# Altium PCB LED fix910 RD 2000278 (4F00224A_7P00494A).PcbDoc (part 3 of 3)
Units mm, origin at the board's own origin, x right, y up, seen from the top; angles counter-clockwise.
Board outline 400 x 428 mm, 2 copper layers (Top Layer, Bottom Layer); 462 components, 214 nets, 1551 pads, 0 vias.
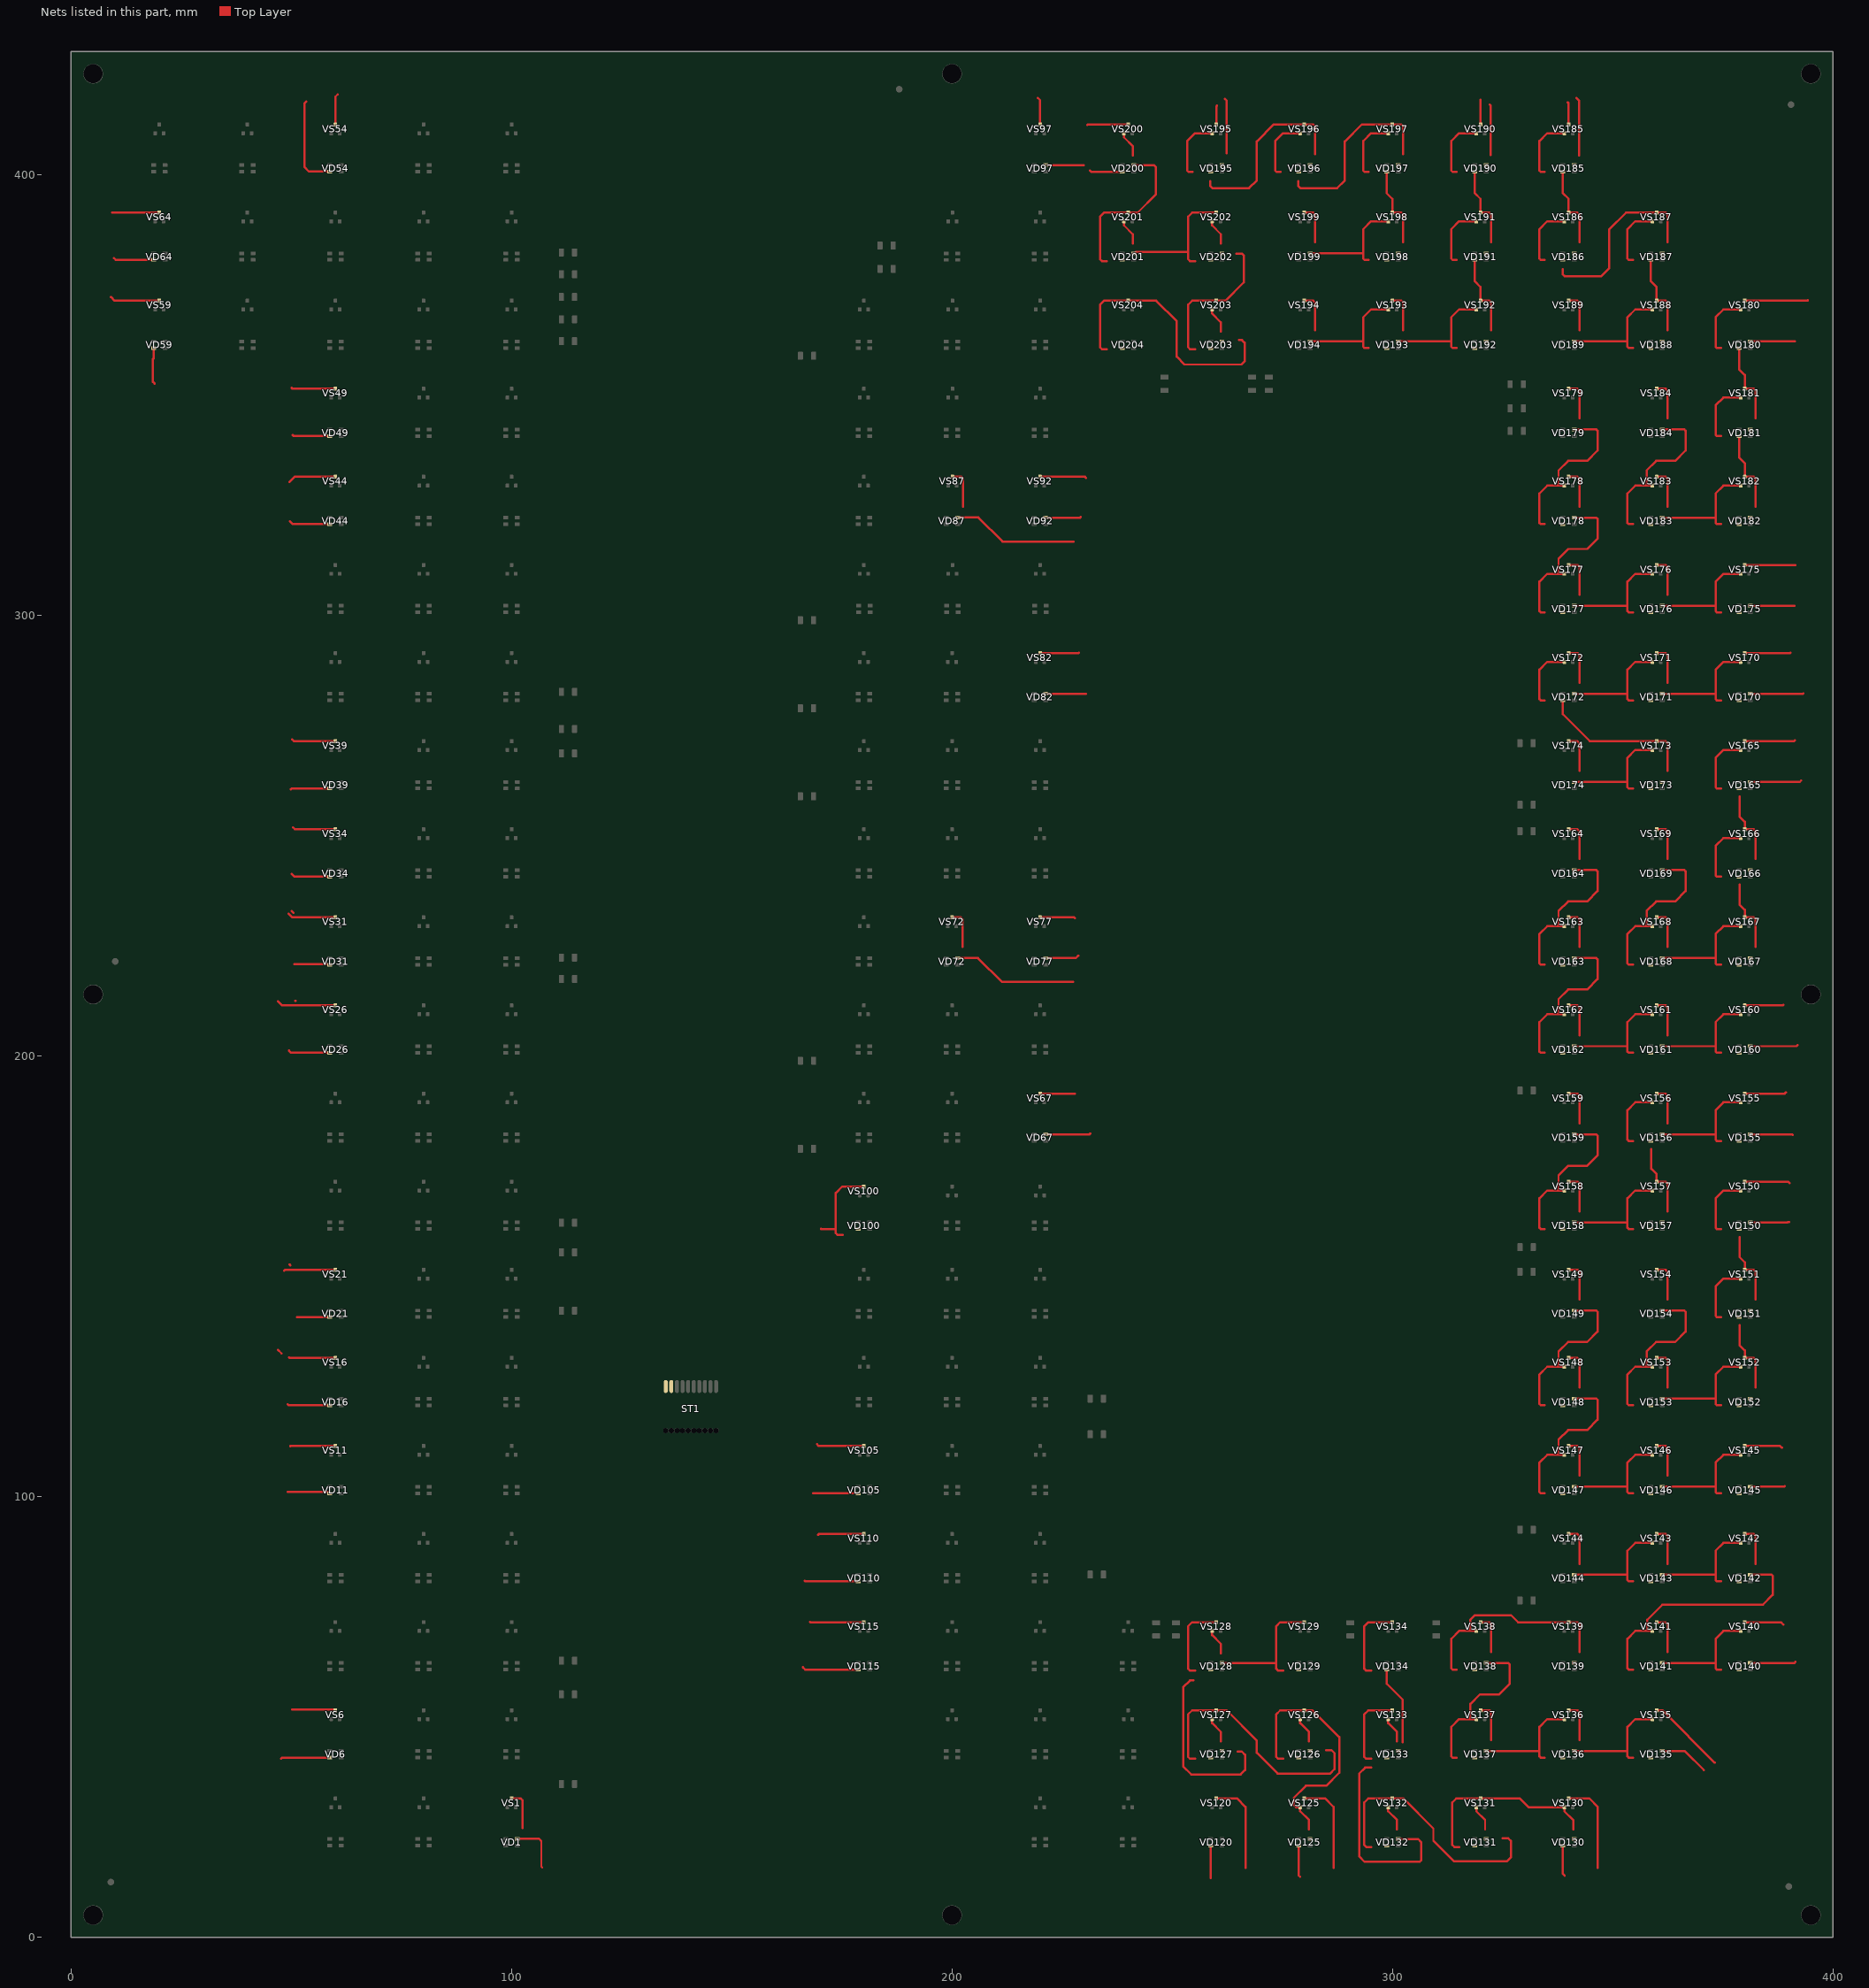
[diagram p3: the nets of this part, all layers, seen from the top]

## Nets (pads, with @x,y where several pads share a name; then routed paths per layer and width w, separated by ;. In a path a pad name is that pad's centre, name@x,y a point inside that pad or via, vN(x,y) a via of type N, cw(c..) or ccw(c..) an arc to the next point about the centre after c; other vN are vias at no path point) (continued)
NetVD125_1: VD125.1 VD126.2 VS125.1 VS126.3 | length 58.4
  Top Layer w0.5: 275.187,40.475 274.062,40.475 273.612,40.925 273.612,50.575 274.512,51.475 VS126.3@279.912,51.475 ; VS126.3@280,51.5 281.825,51.5 287.925,45.4 287.925,37.3 284.975,34.35 280.375,34.35 277.625,31.6 277.625,30 278.125,29.5 VS125.1@279.05,29.5 279.05,28.575 281.05,26.575 281.05,24.45
NetVD126_1: VD126.1 VD127.2 VS126.1 VS127.3 | length 64.7
  Top Layer w0.5: 255.187,40.475 254.062,40.475 253.612,40.925 253.612,50.575 254.512,51.475 259.912,51.475 262.363,51.475 269.213,44.625 269.213,41.875 273.938,37.15 285.888,37.15 286.863,38.125 286.863,41.75 286.188,42.425 284.938,42.425 ; VS126.1@279.05,49.5 279.05,48.575 281.05,46.575 281.05,44.45
NetVD127_1: VD127.1 VD128.2 VS127.1 VS128.3 | length 65.6
  Top Layer w0.5: 254.8,58.325 254.75,58.275 254.05,58.275 252.5,56.725 252.5,38.75 254.325,36.925 265.525,36.925 266.525,37.925 266.525,41.4 265.775,42.15 264.85,42.15 ; 255.187,60.475 254.062,60.475 253.612,60.925 253.612,70.575 254.512,71.475 VS128.3@259.912,71.475 ; VS127.1@259.05,49.5 259.05,48.575 261.05,46.575 261.05,44.45
NetVD128_1: VD128.1 VD129.2 VS128.1 VS129.3 | length 36.3
  Top Layer w0.5: VS128.1@259.05,69.5 259.05,68.575 261.05,66.575 261.05,64.45 ; VD128.1@261.3,62.25 273.587,62.25 273.612,62.275 ; 275.187,60.475 274.062,60.475 273.612,60.925 273.612,62.275 ; VS129.3@279.912,71.475 274.512,71.475 273.612,70.575 273.612,62.275
NetVD130_1: VD130.1 VD131.2 VS130.1 VS131.3 | length 43.8
  Top Layer w0.5: 315.187,20.475 314.062,20.475 313.612,20.925 313.612,30.575 314.512,31.475 VS131.3@319.912,31.475 ; VS131.3@320,31.5 328.9,31.5 330.9,29.5 VS130.1@339.05,29.5 339.05,28.575 341.05,26.575 341.05,24.45
NetVD131_1: VD131.1 VD132.2 VS131.1 VS132.3 | length 64.7
  Top Layer w0.5: 295.187,20.475 294.062,20.475 293.612,20.925 293.612,30.575 294.512,31.475 VS132.3@299.912,31.475 ; VS132.3@300,31.5 302.45,31.5 309.3,24.65 309.3,21.9 314.025,17.175 325.975,17.175 326.95,18.15 326.95,21.775 326.275,22.45 325.025,22.45 ; VS131.1@319.05,29.5 319.05,28.575 321.05,26.575 321.05,24.45
NetVD132_1: VD132.1 VD133.2 VS132.1 VS133.3 | length 70.3
  Top Layer w0.5: 295.15,38.475 293.825,38.475 292.45,37.1 292.45,18.35 293.675,17.125 306.232,17.125 306.525,17.418 306.525,21.575 305.85,22.25 VD132.1@301.3,22.25 ; 295.187,40.475 294.062,40.475 293.612,40.925 293.612,50.575 294.512,51.475 VS133.3@299.912,51.475 ; VS132.1@299.05,29.5 299.05,28.575 301.05,26.575 301.05,24.45
NetVD133_1: VD133.1 VD134.2 VS133.1 VS134.3 | length 42
  Top Layer w0.5: 295.187,60.475 294.062,60.475 293.612,60.925 293.612,70.575 294.512,71.475 VS134.3@299.912,71.475 ; VD134.2@298.7,60.75 298.7,57.525 302.325,53.9 302.325,44.225 ; VS133.1@299.05,49.5 299.05,48.575 301.05,46.575 301.05,44.45
NetVD135_1: VD135.1 VD136.2 VS135.1 VS136.3 | length 35.2
  Top Layer w0.5: VS136.3@340,51.5 342.025,51.5 342.45,51.075 342.45,44.75 ; VD136.2@341.3,42.25 353.125,42.25 ; 354.6,40.75 353.668,40.75 353.375,41.043 353.375,42.5 353.375,47.725 355.15,49.5 VS135.1@359.05,49.5
NetVD136_1: VD136.1 VD137.2 VS136.1 VS137.3 | length 35.5
  Top Layer w0.5: VS137.3@320,51.5 322.025,51.5 322.45,51.075 322.45,44.75 ; VD137.2@321.3,42.25 333.3,42.25 333.375,42.325 ; 334.6,40.75 333.668,40.75 333.375,41.043 333.375,42.325 ; VS136.1@339.05,49.5 335.15,49.5 333.375,47.725 333.375,42.325
NetVD137_1: VD137.1 VD138.2 VS137.1 VS138.3 | length 47.4
  Top Layer w0.5: 314.6,40.75 313.668,40.75 313.375,41.043 313.375,47.725 315.15,49.5 317.72,49.5 ; VS137.1@319.05,49.5 317.72,49.5 ; VS138.3@320,71.5 322.025,71.5 322.45,71.075 322.45,64.75 ; VD138.2@321.3,62.25 326.282,62.25 326.575,61.957 326.575,57.475 324.225,55.125 319.9,55.125 317.72,52.945 317.72,49.5
NetVD138_1: VD138.1 VD139.2 VS138.1 VS139.3 | length 49.4
  Top Layer w0.5: 314.6,60.75 313.668,60.75 313.375,61.043 313.375,67.725 315.15,69.5 317.575,69.5 ; VS138.1@319.05,69.5 317.575,69.5 ; 342.45,64.75 342.45,71.075 342.025,71.5 VS139.3@340,71.5 328.525,71.5 326.925,73.1 318.775,73.1 317.65,71.975 317.65,69.575 317.575,69.5
NetVD140_1: VD140.1 VD141.2 VS140.1 VS141.3 | length 35.5
  Top Layer w0.5: VS141.3@360,71.5 362.025,71.5 362.45,71.075 362.45,64.75 ; VD141.2@361.3,62.25 373.375,62.25 ; 374.6,60.75 373.668,60.75 373.375,61.043 373.375,62.25 ; VS140.1@379.05,69.5 375.15,69.5 373.375,67.725 373.375,62.25
NetVD141_1: VD141.1 VD142.2 VS141.1 VS142.3 | length 66.2
  Top Layer w0.5: 354.6,60.75 353.668,60.75 353.375,61.043 353.375,67.725 355.15,69.5 357.85,69.5 ; VS141.1@359.05,69.5 357.85,69.5 ; VS142.3@380,91.5 382.025,91.5 382.45,91.075 382.45,84.75 ; VD142.2@381.3,82.25 386.1,82.25 386.35,82 386.35,77.7 384.125,75.475 361.3,75.475 357.85,72.025 357.85,69.5
NetVD142_1: VD142.1 VD143.2 VS142.1 VS143.3 | length 35.5
  Top Layer w0.5: VS143.3@360,91.5 362.025,91.5 362.45,91.075 362.45,84.75 ; VD143.2@361.3,82.25 373.375,82.25 ; 374.6,80.75 373.668,80.75 373.375,81.043 373.375,87.725 375.15,89.5 VS142.1@379.05,89.5
NetVD143_1: VD143.1 VD144.2 VS143.1 VS144.3 | length 35.5
  Top Layer w0.5: VS144.3@340,91.5 342.025,91.5 342.45,91.075 342.45,84.75 ; VD144.2@341.3,82.25 353.375,82.25 ; 354.6,80.75 353.668,80.75 353.375,81.043 353.375,87.725 355.15,89.5 VS143.1@359.05,89.5
NetVD145_1: VD145.1 VD146.2 VS145.1 VS146.3 | length 35.5
  Top Layer w0.5: VS146.3@360,111.5 362.025,111.5 362.45,111.075 362.45,104.75 ; VD146.2@361.3,102.25 373.375,102.25 ; 374.6,100.75 373.668,100.75 373.375,101.043 373.375,107.725 375.15,109.5 VS145.1@379.05,109.5
NetVD146_1: VD146.1 VD147.2 VS146.1 VS147.3 | length 35.5
  Top Layer w0.5: VS147.3@340,111.5 342.025,111.5 342.45,111.075 342.45,104.75 ; VD147.2@341.3,102.25 353.375,102.25 ; 354.6,100.75 353.668,100.75 353.375,101.043 353.375,107.725 355.15,109.5 VS146.1@359.05,109.5
NetVD147_1: VD147.1 VD148.2 VS147.1 VS148.3 | length 47.4
  Top Layer w0.5: 334.6,100.75 333.668,100.75 333.375,101.043 333.375,107.725 335.15,109.5 VS147.1@339.05,109.5 ; 337.72,109.5 337.72,112.945 339.9,115.125 344.225,115.125 346.575,117.475 346.575,121.957 346.282,122.25 VD148.2@341.3,122.25 ; VS148.3@340,131.5 342.025,131.5 342.45,131.075 342.45,124.75
NetVD148_1: VD148.1 VD149.2 VS148.1 VS149.3 | length 47.4
  Top Layer w0.5: 334.6,120.75 333.668,120.75 333.375,121.043 333.375,127.725 335.15,129.5 VS148.1@339.05,129.5 ; 337.72,129.5 337.72,132.945 339.9,135.125 344.225,135.125 346.575,137.475 346.575,141.957 346.282,142.25 VD149.2@341.3,142.25 ; VS149.3@340,151.5 342.025,151.5 342.45,151.075 342.45,144.75
NetVD150_1: VD150.1 VD151.2 VS150.1 VS151.3 | length 31.3
  Top Layer w0.5: 374.6,160.75 373.668,160.75 373.375,161.043 373.375,167.725 375.15,169.5 VS150.1@379.05,169.5 ; 378.8,158.95 378.8,154.4 380,153.2 VS151.3@380,151.5 382.025,151.5 382.45,151.075 382.45,144.75
NetVD151_1: VD151.1 VD152.2 VS151.1 VS152.3 | length 31.3
  Top Layer w0.5: 374.6,140.75 373.668,140.75 373.375,141.043 373.375,147.725 375.15,149.5 VS151.1@379.05,149.5 ; 378.8,138.95 378.8,134.4 380,133.2 VS152.3@380,131.5 382.025,131.5 382.45,131.075 382.45,124.75
NetVD152_1: VD152.1 VD153.2 VS152.1 VS153.3 | length 35.5
  Top Layer w0.5: VS153.3@360,131.5 362.025,131.5 362.45,131.075 362.45,124.75 ; VD153.2@361.3,122.25 373.375,122.25 ; 374.6,120.75 373.668,120.75 373.375,121.043 373.375,127.725 375.15,129.5 VS152.1@379.05,129.5
NetVD153_1: VD153.1 VD154.2 VS153.1 VS154.3 | length 47.4
  Top Layer w0.5: 354.6,120.75 353.668,120.75 353.375,121.043 353.375,127.725 355.15,129.5 VS153.1@359.05,129.5 ; 357.72,129.5 357.72,132.945 359.9,135.125 364.225,135.125 366.575,137.475 366.575,141.957 366.282,142.25 VD154.2@361.3,142.25 ; VS154.3@360,151.5 362.025,151.5 362.45,151.075 362.45,144.75
NetVD155_1: VD155.1 VD156.2 VS155.1 VS156.3 | length 35.5
  Top Layer w0.5: VS156.3@360,191.5 362.025,191.5 362.45,191.075 362.45,184.75 ; VD156.2@361.3,182.25 373.375,182.25 ; 374.6,180.75 373.668,180.75 373.375,181.043 373.375,187.725 375.15,189.5 VS155.1@379.05,189.5
NetVD156_1: VD156.1 VD157.2 VS156.1 VS157.3 | length 31.3
  Top Layer w0.5: 354.6,180.75 353.668,180.75 353.375,181.043 353.375,187.725 355.15,189.5 VS156.1@359.05,189.5 ; 358.8,178.95 358.8,174.4 360,173.2 VS157.3@360,171.5 362.025,171.5 362.45,171.075 362.45,164.75
NetVD157_1: VD157.1 VD158.2 VS157.1 VS158.3 | length 35.5
  Top Layer w0.5: VS158.3@340,171.5 342.025,171.5 342.45,171.075 342.45,164.75 ; VD158.2@341.3,162.25 353.375,162.25 ; 354.6,160.75 353.668,160.75 353.375,161.043 353.375,167.725 355.15,169.5 VS157.1@359.05,169.5
NetVD158_1: VD158.1 VD159.2 VS158.1 VS159.3 | length 47.4
  Top Layer w0.5: 334.6,160.75 333.668,160.75 333.375,161.043 333.375,167.725 335.15,169.5 VS158.1@339.05,169.5 ; 337.72,169.5 337.72,172.945 339.9,175.125 344.225,175.125 346.575,177.475 346.575,181.957 346.282,182.25 VD159.2@341.3,182.25 ; VS159.3@340,191.5 342.025,191.5 342.45,191.075 342.45,184.75
NetVD160_1: VD160.1 VD161.2 VS160.1 VS161.3 | length 35.5
  Top Layer w0.5: VS161.3@360,211.5 362.025,211.5 362.45,211.075 362.45,204.75 ; VD161.2@361.3,202.25 373.325,202.25 373.375,202.3 ; 374.6,200.75 373.668,200.75 373.375,201.043 373.375,202.3 ; VS160.1@379.05,209.5 375.15,209.5 373.375,207.725 373.375,202.3
NetVD161_1: VD161.1 VD162.2 VS161.1 VS162.3 | length 35.5
  Top Layer w0.5: VS162.3@340,211.5 342.025,211.5 342.45,211.075 342.45,204.75 ; VD162.2@341.3,202.25 353.375,202.25 ; 354.6,200.75 353.668,200.75 353.375,201.043 353.375,207.725 355.15,209.5 VS161.1@359.05,209.5
NetVD162_1: VD162.1 VD163.2 VS162.1 VS163.3 | length 47.4
  Top Layer w0.5: 334.6,200.75 333.668,200.75 333.375,201.043 333.375,207.725 335.15,209.5 VS162.1@339.05,209.5 ; 337.72,209.5 337.72,212.945 339.9,215.125 344.225,215.125 346.575,217.475 346.575,221.957 346.282,222.25 VD163.2@341.3,222.25 ; VS163.3@340,231.5 342.025,231.5 342.45,231.075 342.45,224.75
NetVD163_1: VD163.1 VD164.2 VS163.1 VS164.3 | length 47.4
  Top Layer w0.5: 334.6,220.75 333.668,220.75 333.375,221.043 333.375,227.725 335.15,229.5 VS163.1@339.05,229.5 ; 337.72,229.5 337.72,232.945 339.9,235.125 344.225,235.125 346.575,237.475 346.575,241.957 346.282,242.25 VD164.2@341.3,242.25 ; VS164.3@340,251.5 342.025,251.5 342.45,251.075 342.45,244.75
NetVD165_1: VD165.1 VD166.2 VS165.1 VS166.3 | length 31.3
  Top Layer w0.5: 374.6,260.75 373.668,260.75 373.375,261.043 373.375,267.725 375.15,269.5 VS165.1@379.05,269.5 ; 378.8,258.95 378.8,254.4 380,253.2 VS166.3@380,251.5 382.025,251.5 382.45,251.075 382.45,244.75
NetVD166_1: VD166.1 VD167.2 VS166.1 VS167.3 | length 31.3
  Top Layer w0.5: 374.6,240.75 373.668,240.75 373.375,241.043 373.375,247.725 375.15,249.5 VS166.1@379.05,249.5 ; 378.8,238.95 378.8,234.4 380,233.2 VS167.3@380,231.5 382.025,231.5 382.45,231.075 382.45,224.75
NetVD167_1: VD167.1 VD168.2 VS167.1 VS168.3 | length 35.5
  Top Layer w0.5: VS168.3@360,231.5 362.025,231.5 362.45,231.075 362.45,224.75 ; VD168.2@361.3,222.25 373.375,222.25 ; 374.6,220.75 373.668,220.75 373.375,221.043 373.375,227.725 375.15,229.5 VS167.1@379.05,229.5
NetVD168_1: VD168.1 VD169.2 VS168.1 VS169.3 | length 47.4
  Top Layer w0.5: 354.6,220.75 353.668,220.75 353.375,221.043 353.375,227.725 355.15,229.5 VS168.1@359.05,229.5 ; 357.72,229.5 357.72,232.945 359.9,235.125 364.225,235.125 366.575,237.475 366.575,241.957 366.282,242.25 VD169.2@361.3,242.25 ; VS169.3@360,251.5 362.025,251.5 362.45,251.075 362.45,244.75
NetVD170_1: VD170.1 VD171.2 VS170.1 VS171.3 | length 35.5
  Top Layer w0.5: VS171.3@360,291.5 362.025,291.5 362.45,291.075 362.45,284.75 ; VD171.2@361.3,282.25 373.375,282.25 ; 374.6,280.75 373.668,280.75 373.375,281.043 373.375,287.725 375.15,289.5 VS170.1@379.05,289.5
NetVD171_1: VD171.1 VD172.2 VS171.1 VS172.3 | length 35.5
  Top Layer w0.5: VS172.3@340,291.5 342.025,291.5 342.45,291.075 342.45,284.75 ; VD172.2@341.3,282.25 353.375,282.25 ; 354.6,280.75 353.668,280.75 353.375,281.043 353.375,287.725 355.15,289.5 VS171.1@359.05,289.5
NetVD172_1: VD172.1 VD173.2 VS172.1 VS173.3 | length 50.4
  Top Layer w0.5: 334.6,280.75 333.668,280.75 333.375,281.043 333.375,287.725 335.15,289.5 VS172.1@339.05,289.5 ; VD172.1@338.7,280.75 338.7,277.625 344.825,271.5 VS173.3@360,271.5 362.025,271.5 362.45,271.075 362.45,264.75
NetVD173_1: VD173.1 VD174.2 VS173.1 VS174.3 | length 35.5
  Top Layer w0.5: VS174.3@340,271.5 342.025,271.5 342.45,271.075 342.45,264.75 ; VD174.2@341.3,262.25 353.375,262.25 ; 354.6,260.75 353.668,260.75 353.375,261.043 353.375,267.725 355.15,269.5 VS173.1@359.05,269.5
NetVD175_1: VD175.1 VD176.2 VS175.1 VS176.3 | length 35.5
  Top Layer w0.5: VS176.3@360,311.5 362.025,311.5 362.45,311.075 362.45,304.75 ; VD176.2@361.3,302.25 373.375,302.25 ; 374.6,300.75 373.668,300.75 373.375,301.043 373.375,307.725 375.15,309.5 VS175.1@379.05,309.5
NetVD176_1: VD176.1 VD177.2 VS176.1 VS177.3 | length 35.5
  Top Layer w0.5: VS177.3@340,311.5 342.025,311.5 342.45,311.075 342.45,304.75 ; VD177.2@341.3,302.25 353.375,302.25 ; 354.6,300.75 353.668,300.75 353.375,301.043 353.375,307.725 355.15,309.5 VS176.1@359.05,309.5
NetVD177_1: VD177.1 VD178.2 VS177.1 VS178.3 | length 50
  Top Layer w0.5: 334.6,300.75 333.668,300.75 333.375,301.043 333.375,307.725 335.15,309.5 337.25,309.5 VS177.1@339.05,309.5 ; 337.72,309.5 337.72,312.945 339.9,315.125 344.225,315.125 346.575,317.475 346.575,321.957 346.282,322.25 VD178.2@341.3,322.25 343.85,322.25 343.875,322.225 ; VS178.3@340,331.5 342.025,331.5 342.45,331.075 342.45,324.75
NetVD178_1: VD178.1 VD179.2 VS178.1 VS179.3 | length 47.4
  Top Layer w0.5: 334.6,320.75 333.668,320.75 333.375,321.043 333.375,327.725 335.15,329.5 VS178.1@339.05,329.5 ; 337.72,329.5 337.72,332.945 339.9,335.125 344.225,335.125 346.575,337.475 346.575,341.957 346.282,342.25 VD179.2@341.3,342.25 ; VS179.3@340,351.5 342.025,351.5 342.45,351.075 342.45,344.75
NetVD180_1: VD180.1 VD181.2 VS180.1 VS181.3 | length 33.2
  Top Layer w0.5: 374.6,360.75 373.668,360.75 373.375,361.043 373.375,367.725 375.15,369.5 VS180.1@379.05,369.5 ; VD180.1@378.7,360.75 378.7,355.9 380,354.6 VS181.3@380,351.5 382.025,351.5 382.45,351.075 382.45,344.75
NetVD181_1: VD181.1 VD182.2 VS181.1 VS182.3 | length 33.2
  Top Layer w0.5: 374.6,340.75 373.668,340.75 373.375,341.043 373.375,347.725 375.15,349.5 VS181.1@379.05,349.5 ; VD181.1@378.7,340.75 378.7,335.9 380,334.6 VS182.3@380,331.5 382.025,331.5 382.45,331.075 382.45,324.75
NetVD182_1: VD182.1 VD183.2 VS182.1 VS183.3 | length 35.5
  Top Layer w0.5: VS183.3@360,331.5 362.025,331.5 362.45,331.075 362.45,324.75 ; VD183.2@361.3,322.25 373.25,322.25 373.375,322.375 ; 374.6,320.75 373.668,320.75 373.375,321.043 373.375,322.375 ; VS182.1@379.05,329.5 375.15,329.5 373.375,327.725 373.375,322.375
NetVD183_1: VD183.1 VD184.2 VS183.1 VS184.3 | length 47.4
  Top Layer w0.5: 354.6,320.75 353.668,320.75 353.375,321.043 353.375,327.725 355.15,329.5 VS183.1@359.05,329.5 ; 357.72,329.5 357.72,332.945 359.9,335.125 364.225,335.125 366.575,337.475 366.575,341.957 366.282,342.25 VD184.2@361.3,342.25 ; VS184.3@360,351.5 362.025,351.5 362.45,351.075 362.45,344.75
NetVD185_1: VD185.1 VD186.2 VS185.1 VS186.3 | length 33.2
  Top Layer w0.5: 334.6,400.75 333.668,400.75 333.375,401.043 333.375,407.725 335.15,409.5 VS185.1@339.05,409.5 ; VD185.1@338.7,400.75 338.7,395.9 340,394.6 VS186.3@340,391.5 342.025,391.5 342.45,391.075 342.45,384.75
NetVD186_1: VD186.1 VD187.2 VS186.1 VS187.3 | length 57.3
  Top Layer w0.5: 334.6,380.75 333.668,380.75 333.375,381.043 333.375,387.725 335.15,389.5 VS186.1@339.05,389.5 ; 338.7,378.65 338.65,378.6 338.65,377.5 339.1,377.05 347.45,377.05 349.2,378.8 349.2,387.625 353.075,391.5 VS187.3@360,391.5 362.025,391.5 362.45,391.075 362.45,384.75
NetVD187_1: VD187.1 VD188.2 VS187.1 VS188.3 | length 33.2
  Top Layer w0.5: 354.6,380.75 353.668,380.75 353.375,381.043 353.375,387.725 355.15,389.5 VS187.1@359.05,389.5 ; VD187.1@358.7,380.75 358.7,375.9 360,374.6 VS188.3@360,371.5 362.025,371.5 362.45,371.075 362.45,364.75
NetVD188_1: VD188.1 VD189.2 VS188.1 VS189.3 | length 35.5
  Top Layer w0.5: VS189.3@340,371.5 342.025,371.5 342.45,371.075 342.45,364.75 ; VD189.2@341.3,362.25 353.375,362.25 ; 354.6,360.75 353.668,360.75 353.375,361.043 353.375,367.725 355.15,369.5 VS188.1@359.05,369.5
NetVD190_1: VD190.1 VD191.2 VS190.1 VS191.3 | length 33.2
  Top Layer w0.5: 314.6,400.75 313.668,400.75 313.375,401.043 313.375,407.725 315.15,409.5 VS190.1@319.05,409.5 ; VD190.1@318.7,400.75 318.7,395.9 320,394.6 VS191.3@320,391.5 322.025,391.5 322.45,391.075 322.45,384.75
NetVD191_1: VD191.1 VD192.2 VS191.1 VS192.3 | length 33.2
  Top Layer w0.5: 314.6,380.75 313.668,380.75 313.375,381.043 313.375,387.725 315.15,389.5 VS191.1@319.05,389.5 ; VD191.1@318.7,380.75 318.7,375.9 320,374.6 VS192.3@320,371.5 322.025,371.5 322.45,371.075 322.45,364.75
NetVD192_1: VD192.1 VD193.2 VS192.1 VS193.3 | length 35.5
  Top Layer w0.5: VS193.3@300,371.5 302.025,371.5 302.45,371.075 302.45,364.75 ; VD193.2@301.3,362.25 313.375,362.25 ; 314.6,360.75 313.668,360.75 313.375,361.043 313.375,367.725 315.15,369.5 VS192.1@319.05,369.5
NetVD193_1: VD193.1 VD194.2 VS193.1 VS194.3 | length 35.5
  Top Layer w0.5: VS194.3@280,371.5 282.025,371.5 282.45,371.075 282.45,364.75 ; VD194.2@281.3,362.25 293.375,362.25 ; 294.6,360.75 293.668,360.75 293.375,361.043 293.375,367.725 295.15,369.5 VS193.1@299.05,369.5
NetVD195_1: VD195.1 VD196.2 VS195.1 VS196.3 | length 57.2
  Top Layer w0.5: 254.6,400.75 253.668,400.75 253.375,401.043 253.375,407.725 255.15,409.5 VS195.1@259.05,409.5 ; 258.65,398.6 258.65,397.5 259.1,397.05 267.45,397.05 269.2,398.8 269.2,407.625 273.075,411.5 VS196.3@280,411.5 282.025,411.5 282.45,411.075 282.45,404.75
NetVD196_1: VD196.1 VD197.2 VS196.1 VS197.3 | length 57.2
  Top Layer w0.5: 274.6,400.75 273.668,400.75 273.375,401.043 273.375,407.725 275.15,409.5 VS196.1@279.05,409.5 ; 278.65,398.6 278.65,397.5 279.1,397.05 287.45,397.05 289.2,398.8 289.2,407.625 293.075,411.5 VS197.3@300,411.5 302.025,411.5 302.45,411.075 302.45,404.75
NetVD197_1: VD197.1 VD198.2 VS197.1 VS198.3 | length 33.2
  Top Layer w0.5: 294.6,400.75 293.668,400.75 293.375,401.043 293.375,407.725 295.15,409.5 VS197.1@299.05,409.5 ; VD197.1@298.7,400.75 298.7,395.9 300,394.6 VS198.3@300,391.5 302.025,391.5 302.45,391.075 302.45,384.75
NetVD198_1: VD198.1 VD199.2 VS198.1 VS199.3 | length 35.5
  Top Layer w0.5: VS199.3@280,391.5 282.025,391.5 282.45,391.075 282.45,384.75 ; VD199.2@281.3,382.25 293.375,382.25 ; 294.6,380.75 293.668,380.75 293.375,381.043 293.375,387.725 295.15,389.5 VS198.1@299.05,389.5
NetVD200_1: VD200.1 VD201.2 VS200.1 VS201.3 | length 43.4
  Top Layer w0.5: 235.187,380.473 234.062,380.473 233.612,380.923 233.612,390.573 234.512,391.473 VS201.3@239.912,391.473 ; VS200.1@239.05,409.5 239.05,408.575 241.05,406.575 241.05,404.45 ; VS201.3@240,391.5 242.175,391.5 246.325,395.65 246.325,401.8 245.9,402.225 244.65,402.225 244.625,402.25 VD200.1@241.3,402.25
NetVD201_1: VD201.1 VD202.2 VS201.1 VS202.3 | length 36.4
  Top Layer w0.5: VS201.1@239.05,389.5 239.05,388.575 241.05,386.575 241.05,384.45 ; VD201.1@241.3,382.25 241.45,382.25 241.775,382.575 253.612,382.575 ; 255.187,380.473 254.062,380.473 253.612,380.923 253.612,382.575 ; VS202.3@259.912,391.473 254.512,391.473 253.612,390.573 253.612,382.575
NetVD202_1: VD202.1 VD203.2 VS202.1 VS203.3 | length 40
  Top Layer w0.5: 255.187,360.472 254.062,360.472 253.612,360.922 253.612,362.247 253.612,370.572 254.512,371.472 259.912,371.472 262.088,371.472 266.238,375.622 266.238,381.772 265.813,382.197 264.563,382.197 ; VS202.1@259.05,389.5 259.05,388.575 261.05,386.575 261.05,384.45
NetVD203_1: VD203.1 VD204.2 VS203.1 VS204.3 | length 67.2
  Top Layer w0.5: 235.187,360.472 234.062,360.472 233.612,360.922 233.612,370.572 234.512,371.472 VS204.3@239.912,371.472 ; VS204.3@240,371.5 246.35,371.5 251.025,366.825 251.025,358.775 252.8,357 265.725,357 266.45,357.725 266.45,361.925 265.85,362.525 265.175,362.525 ; VS203.1@259.05,369.5 259.05,368.575 261.05,366.575 261.05,364.45
ULED: ST1.1 ST1.2 VD1.2 VD6.2 VD11.2 VD16.2 VD21.2 VD26.2 VD31.2 VD34.2 VD39.2 VD44.2 VD49.2 VD54.2 VD59.2 VD64.2 VD67.2 VD72.2 VD77.2 VD82.2 VD87.2 VD92.2 VD97.2 VD100.2 VD105.2 VD110.2 VD115.2 VD120.2 VD125.2 VD130.2 VD135.2 VD140.2 VD145.2 VD150.2 VD155.2 VD160.2 VD165.2 VD170.2 VD175.2 VD180.2 VD185.2 VD190.2 VD195.2 VD200.2 VS1.3 VS6.3 VS11.3 VS16.3 VS21.3 VS26.3 VS31.3 VS34.3 VS39.3 VS44.3 VS49.3 VS54.3 VS59.3 VS64.3 VS67.3 VS72.3 VS77.3 VS82.3 VS87.3 VS92.3 VS97.3 VS100.3 VS105.3 VS110.3 VS115.3 VS120.3 VS125.3 VS130.3 VS135.3 VS140.3 VS145.3 VS150.3 VS155.3 VS160.3 VS165.3 VS170.3 VS175.3 VS180.3 VS185.3 VS190.3 VS195.3 VS200.3 | length 908.8
  Top Layer w0.5: 9.025,372.325 9.85,371.5 VS59.3@20,371.5 ; 9.275,391.525 9.3,391.5 VS64.3@20,391.5 ; 9.675,381.2 10.122,380.753 VD64.2@18.7,380.753 ; VD59.2@18.7,360.753 18.7,358.35 18.575,358.225 18.575,353.075 18.975,352.675 ; 46.925,133.325 47.75,132.5 ; 46.975,212.425 47.9,211.5 VS26.3@60,211.5 ; 47.65,40.525 47.875,40.75 VD6.2@58.7,40.75 ; 48.4,151.325 48.575,151.5 VS21.3@60,151.5 ; 49.15,101.05 58.25,101.05 58.55,100.75 VD11.2@58.7,100.75 ; 49.15,120.95 49.35,120.75 VD16.2@58.7,120.75 ; 49.325,232.375 50.2,231.5 VS31.3@60,231.5 ; 49.425,201.275 49.95,200.75 VD26.2@58.7,200.75 ; 49.45,131.575 49.525,131.5 VS16.3@60,131.5 ; 49.575,152.725 49.8,152.5 ; 49.6,330.375 50.725,331.5 VS44.3@60,331.5 ; 49.7,321.375 50.325,320.75 VD44.2@58.7,320.75 ; 49.725,111.425 49.8,111.5 VS11.3@60,111.5 ; 49.85,260.575 50.025,260.75 VD39.2@58.7,260.75 ; 50.025,232.975 50.5,232.5 ; 50.025,351.7 50.225,351.5 VS49.3@60,351.5 ; 50.1,241.35 50.7,240.75 VD34.2@58.7,240.75 ; 50.15,51.625 59.875,51.625 VS6.3@60,51.5 ; 50.2,271.875 50.575,271.5 VS39.3@60,271.5 ; 50.275,341.025 50.55,340.75 VD49.2@58.7,340.75 ; 50.375,251.9 50.775,251.5 VS34.3@60,251.5 ; 50.675,220.85 58.6,220.85 VD31.2@58.7,220.75 ; 50.9,212.575 50.975,212.5 ; 51.225,140.7 51.275,140.75 VD21.2@58.7,140.75 ; 53.425,416.725 52.95,416.25 52.95,401.85 53.975,400.825 58.627,400.825 VD54.2@58.7,400.753 ; VS54.3@60,411.5 60,417.8 60.5,418.3 ; VS1.3@100,31.5 102.025,31.5 102.45,31.075 102.45,24.75 ; VD1.2@101.3,22.25 101.4,22.35 106.225,22.35 106.75,21.825 106.75,16.025 106.95,15.825 ; 166.125,61.275 166.65,60.75 VD115.2@178.7,60.75 ; 166.525,80.925 166.7,80.75 VD110.2@178.7,80.75 ; 167.725,71.6 167.825,71.5 VS115.3@180,71.5 ; 168.45,100.8 168.5,100.75 VD105.2@178.7,100.75 ; 169.325,111.925 169.75,111.5 VS105.3@180,111.5 ; 169.6,91.325 169.775,91.5 VS110.3@180,91.5 ; 170.225,160.8 170.275,160.75 173.612,160.75 ; 175.187,159.375 174.062,159.375 173.612,159.825 173.612,160.75 ; VS100.3@179.912,170.375 175.05,170.375 173.612,168.937 173.612,160.75 ; VS72.3@200,231.5 202.025,231.5 202.45,231.075 202.45,224.75 ; VS87.3@200.1,331.5 202.126,331.5 202.551,331.075 202.551,324.75 ; VD72.2@201.3,222.25 201.325,222.275 205.9,222.275 211.35,216.825 227.475,216.825 ; VD87.2@201.426,322.275 206,322.275 211.451,316.825 227.576,316.825 ; 219.475,417.525 220,417 VS97.3@220,411.5 ; VS67.3@220,191.5 227.9,191.5 ; VS77.3@220,231.5 227.7,231.5 227.9,231.3 ; VS82.3@220,291.5 228.725,291.5 228.825,291.6 ; VS92.3@220,331.5 230.175,331.5 230.45,331.225 ; VD67.2@221.3,182.25 231.175,182.25 231.375,182.45 ; VD77.2@221.3,222.25 228.1,222.25 228.675,222.825 ; VD82.2@221.3,282.25 230.325,282.25 230.375,282.2 ; VD92.2@221.3,322.25 229.075,322.25 229.225,322.4 ; VD97.2@221.3,402.25 229.925,402.25 229.95,402.225 ; 230.725,411.375 230.85,411.5 VS200.3@240,411.5 ; 231.275,401.05 231.575,400.75 VD200.2@238.7,400.75 ; 258.7,13.4 VD120.2@258.7,20.75 ; VS120.3@260,31.5 264.7,31.5 266.65,29.55 266.65,15.7 ; VS195.3@260,411.5 260,415.6 260.175,415.775 ; 262,417.275 262.375,416.9 262.375,404.975 ; VD125.2@278.7,20.75 278.7,14.025 279.025,13.7 ; VS125.3@280,31.5 284.7,31.5 286.65,29.55 286.65,15.7 ; 319.975,417.075 320,417.05 VS190.3@320,411.5 ; 322.1,416.025 322.325,415.8 322.325,404.525 ; VD130.2@338.7,20.75 338.7,14.375 339.125,13.95 ; 339.8,416.525 340,416.325 VS185.3@340,411.5 ; VS130.3@340,31.5 344.7,31.5 346.65,29.55 346.65,15.7 ; 341.8,417.475 342.35,416.925 342.35,404.45 ; VS135.3@360,51.5 361.3,51.5 373.2,39.6 ; VD135.2@361.3,42.25 366.375,42.25 370.7,37.925 ; VS140.3@380,71.5 388.2,71.5 388.75,70.95 ; VS145.3@380,111.5 388.025,111.5 388.45,111.075 ; VS150.3@380,171.5 389.875,171.5 390.225,171.15 ; VS155.3@380,191.5 389.075,191.5 389.375,191.8 ; VS160.3@380,211.5 388.65,211.5 388.825,211.675 ; VS165.3@380,271.5 391.225,271.5 391.425,271.7 ; VS170.3@380,291.5 390.3,291.5 390.425,291.625 ; VS175.3@380,311.5 391.4,311.5 391.45,311.45 ; VS180.3@380,371.5 394.275,371.5 394.35,371.575 ; VD140.2@381.3,62.25 391.275,62.25 391.525,62.5 ; VD145.2@381.3,102.25 388.95,102.25 389.125,102.425 ; VD150.2@381.3,162.25 389.725,162.25 389.85,162.375 390.1,162.375 ; VD155.2@381.3,182.25 390.775,182.25 390.875,182.15 ; VD160.2@381.3,202.25 391.725,202.25 391.975,202.5 ; VD165.2@381.3,262.25 392.5,262.25 392.825,262.575 ; VD170.2@381.3,282.25 393.225,282.25 393.275,282.3 ; VD175.2@381.3,302.25 391.2,302.25 391.25,302.2 ; VD180.2@381.3,362.25 391.35,362.25 391.375,362.275
pads on no net: 2.1 3.1 4.1 5.1 6.1 7.1 8.1 9.1 ST1.3 ST1.7 ST1.11 ST1.12 ST1.13 ST1.14 ST1.15 ST1.16 ST1.17 ST1.18 ST1.19 ST1.20 VD1.3 VD1.4 VD2.3 VD2.4 VD3.3 VD3.4 VD4.3 VD4.4 VD5.3 VD5.4 VD6.3 VD6.4 VD7.3 VD7.4 VD8.3 VD8.4 VD9.3 VD9.4 VD10.3 VD10.4 VD11.3 VD11.4 VD12.3 VD12.4 VD13.3 VD13.4 VD14.3 VD14.4 VD15.3 VD15.4 VD16.3 VD16.4 VD17.3 VD17.4 VD18.3 VD18.4 VD19.3 VD19.4 VD20.3 VD20.4 VD21.3 VD21.4 VD22.3 VD22.4 VD23.3 VD23.4 VD24.3 VD24.4 VD25.3 VD25.4 VD26.3 VD26.4 VD27.3 VD27.4 VD28.3 VD28.4 VD29.3 VD29.4 VD30.3 VD30.4 VD31.3 VD31.4 VD32.3 VD32.4 VD33.3 VD33.4 VD34.3 VD34.4 VD35.3 VD35.4 VD36.3 VD36.4 VD37.3 VD37.4 VD38.3 VD38.4 VD39.3 VD39.4 VD40.3 VD40.4 VD41.3 VD41.4 VD42.3 VD42.4 VD43.3 VD43.4 VD44.3 VD44.4 VD45.3 VD45.4 VD46.3 VD46.4 VD47.3 VD47.4 VD48.3 VD48.4 VD49.3 VD49.4 VD50.3 VD50.4 VD51.3 VD51.4 VD52.3 VD52.4 VD53.3 VD53.4 VD54.3 VD54.4 VD55.3 VD55.4 VD56.3 VD56.4 VD57.3 VD57.4 VD58.3 VD58.4 VD59.3 VD59.4 VD60.3 VD60.4 VD61.3 VD61.4 VD62.3 VD62.4 VD63.3 VD63.4 VD64.3 VD64.4 VD65.3 VD65.4 VD66.3 VD66.4 VD67.3 VD67.4 VD68.3 VD68.4 VD69.3 VD69.4 VD70.3 VD70.4 VD71.3 VD71.4 VD72.3 VD72.4 VD73.3 VD73.4 VD74.3 VD74.4 VD75.3 VD75.4 VD76.3 VD76.4 VD77.3 VD77.4 VD78.3 VD78.4 VD79.3 VD79.4 VD80.3 VD80.4 VD81.3 VD81.4 VD82.3 VD82.4 VD83.3 VD83.4 VD84.3 VD84.4 VD85.3 VD85.4 VD86.3 VD86.4 VD87.3 VD87.4 VD88.3 VD88.4 VD89.3 VD89.4 VD90.3 VD90.4 VD91.3 VD91.4 VD92.3 VD92.4 VD93.3 VD93.4 VD94.3 VD94.4 VD95.3 VD95.4 VD96.3 VD96.4 VD97.3 VD97.4 VD98.3 VD98.4 VD99.3 VD99.4 VD100.3 VD100.4 VD101.3 VD101.4 VD102.3 VD102.4 VD103.3 VD103.4 VD104.3 VD104.4 VD105.3 VD105.4 VD106.3 VD106.4 VD107.3 VD107.4 VD108.3 VD108.4 VD109.3 VD109.4 VD110.3 VD110.4 VD111.3 VD111.4 VD112.3 VD112.4 VD113.3 VD113.4 VD114.3 VD114.4 VD115.3 VD115.4 VD116.3 VD116.4 VD117.3 VD117.4 VD118.3 VD118.4 VD119.3 VD119.4 VD120.3 VD120.4 VD121.3 VD121.4 VD122.3 VD122.4 VD123.3 VD123.4 VD124.3 VD124.4 VD125.3 VD125.4 VD126.3 VD126.4 VD127.3 VD127.4 VD128.3 VD128.4 VD129.3 VD129.4 VD130.3 VD130.4 VD131.3 VD131.4 VD132.3 VD132.4 VD133.3 VD133.4 VD134.3 VD134.4 VD135.3 VD135.4 VD136.3 VD136.4 VD137.3 VD137.4 VD138.3 VD138.4 VD139.3 VD139.4 VD140.3 VD140.4 VD141.3 VD141.4 VD142.3 VD142.4 VD143.3 VD143.4 VD144.3 VD144.4 VD145.3 VD145.4 VD146.3 VD146.4 VD147.3 VD147.4 VD148.3 VD148.4 VD149.3 VD149.4 VD150.3 VD150.4 VD151.3 VD151.4 VD152.3 VD152.4 VD153.3 VD153.4 VD154.3 VD154.4 VD155.3 VD155.4 VD156.3 VD156.4 VD157.3 VD157.4 VD158.3 VD158.4 VD159.3 VD159.4 VD160.3 VD160.4 VD161.3 VD161.4 VD162.3 VD162.4 VD163.3 VD163.4 VD164.3 VD164.4 VD165.3 VD165.4 VD166.3 VD166.4 VD167.3 VD167.4 VD168.3 VD168.4 VD169.3 VD169.4 VD170.3 VD170.4 VD171.3 VD171.4 VD172.3 VD172.4 VD173.3 VD173.4 VD174.3 VD174.4 VD175.3 VD175.4 VD176.3 VD176.4 VD177.3 VD177.4 VD178.3 VD178.4 VD179.3 VD179.4 VD180.3 VD180.4 VD181.3 VD181.4 VD182.3 VD182.4 VD183.3 VD183.4 VD184.3 VD184.4 VD185.3 VD185.4 VD186.3 VD186.4 VD187.3 VD187.4 VD188.3 VD188.4 VD189.3 VD189.4 VD190.3 VD190.4 VD191.3 VD191.4 VD192.3 VD192.4 VD193.3 VD193.4 VD194.3 VD194.4 VD195.3 VD195.4 VD196.3 VD196.4 VD197.3 VD197.4 VD198.3 VD198.4 VD199.3 VD199.4 VD200.3 VD200.4 VD201.3 VD201.4 VD202.3 VD202.4 VD203.3 VD203.4 VD204.3 VD204.4 VS1.2 VS2.2 VS3.2 VS4.2 VS5.2 VS6.2 VS7.2 VS8.2 VS9.2 VS10.2 VS11.2 VS12.2 VS13.2 VS14.2 VS15.2 VS16.2 VS17.2 VS18.2 VS19.2 VS20.2 VS21.2 VS22.2 VS23.2 VS24.2 VS25.2 VS26.2 VS27.2 VS28.2 VS29.2 VS30.2 VS31.2 VS32.2 VS33.2 VS34.2 VS35.2 VS36.2 VS37.2 VS38.2 VS39.2 VS40.2 VS41.2 VS42.2 VS43.2 VS44.2 VS45.2 VS46.2 VS47.2 VS48.2 VS49.2 VS50.2 VS51.2 VS52.2 VS53.2 VS54.2 VS55.2 VS56.2 VS57.2 VS58.2 VS59.2 VS60.2 VS61.2 VS62.2 VS63.2 VS64.2 VS65.2 VS66.2 VS67.2 VS68.2 VS69.2 VS70.2 VS71.2 VS72.2 VS73.2 VS74.2 VS75.2 VS76.2 VS77.2 VS78.2 VS79.2 VS80.2 VS81.2 VS82.2 VS83.2 VS84.2 VS85.2 VS86.2 VS87.2 VS88.2 VS89.2 VS90.2 VS91.2 VS92.2 VS93.2 VS94.2 VS95.2 VS96.2 VS97.2 VS98.2 VS99.2 VS100.2 VS101.2 VS102.2 VS103.2 VS104.2 VS105.2 VS106.2 VS107.2 VS108.2 VS109.2 VS110.2 VS111.2 VS112.2 VS113.2 VS114.2 VS115.2 VS116.2 VS117.2 VS118.2 VS119.2 VS120.2 VS121.2 VS122.2 VS123.2 VS124.2 VS125.2 VS126.2 VS127.2 VS128.2 VS129.2 VS130.2 VS131.2 VS132.2 VS133.2 VS134.2 VS135.2 VS136.2 VS137.2 VS138.2 VS139.2 VS140.2 VS141.2 VS142.2 VS143.2 VS144.2 VS145.2 VS146.2 VS147.2 VS148.2 VS149.2 VS150.2 VS151.2 VS152.2 VS153.2 VS154.2 VS155.2 VS156.2 VS157.2 VS158.2 VS159.2 VS160.2 VS161.2 VS162.2 VS163.2 VS164.2 VS165.2 VS166.2 VS167.2 VS168.2 VS169.2 VS170.2 VS171.2 VS172.2 VS173.2 VS174.2 VS175.2 VS176.2 VS177.2 VS178.2 VS179.2 VS180.2 VS181.2 VS182.2 VS183.2 VS184.2 VS185.2 VS186.2 VS187.2 VS188.2 VS189.2 VS190.2 VS191.2 VS192.2 VS193.2 VS194.2 VS195.2 VS196.2 VS197.2 VS198.2 VS199.2 VS200.2 VS201.2 VS202.2 VS203.2 VS204.2
copper on no net: | length 136.9
  Top Layer w0.05: 138.613,104.782 ccw(c138.588,104.782) 138.613,104.782
  Top Layer w0.1: 135.295,105.805 135.829,105.805 ; 135.311,105.731 135.841,105.731 ; 135.328,105.656 135.853,105.656 ; 135.344,105.581 135.865,105.581 ; 135.361,105.507 135.876,105.507 ; 135.377,105.432 135.888,105.432 ; 135.393,105.357 135.9,105.357 ; 135.41,105.283 135.912,105.283 ; 135.426,105.208 135.923,105.208 ; 135.443,105.133 135.935,105.133 ; 135.459,105.059 135.947,105.059 ; 135.476,104.984 135.959,104.984 ; 135.492,104.909 135.971,104.909 ; 135.508,104.835 135.982,104.835 ; 135.525,104.76 135.994,104.76 ; 135.541,104.685 136.006,104.685 ; 135.558,104.611 136.018,104.611 ; 135.574,104.536 136.029,104.536 ; 135.59,104.461 136.041,104.461 ; 135.607,104.387 136.084,104.387 ; 135.623,104.312 136.494,104.312 ; 135.64,104.237 136.483,104.237 ; 135.656,104.163 136.472,104.163 ; 135.673,104.088 136.462,104.088 ; 135.689,104.013 136.451,104.013 ; 135.705,103.938 136.44,103.938 ; 135.722,103.864 136.429,103.864 ; 135.738,103.789 136.418,103.789 ; 135.755,103.714 136.408,103.714 ; 135.771,103.64 136.397,103.64 ; 135.787,103.565 136.386,103.565 ; 135.804,103.49 136.375,103.49 ; 136.105,104.387 136.505,104.387 ; 136.151,104.461 136.516,104.461 ; 136.163,104.536 136.526,104.536 ; 136.175,104.611 136.537,104.611 ; 136.187,104.685 136.548,104.685 ; 136.199,104.76 136.56,104.76 ; 136.21,104.835 137.004,104.835 ; 136.222,104.909 136.993,104.909 ; 136.234,104.984 136.981,104.984 ; 136.246,105.059 136.97,105.059 ; 136.258,105.133 136.958,105.133 ; 136.27,105.208 136.947,105.208 ; 136.281,105.283 136.936,105.283 ; 136.293,105.357 136.924,105.357 ; 136.305,105.432 136.913,105.432 ; 136.317,105.507 136.901,105.507 ; 136.329,105.581 136.89,105.581 ; 136.341,105.656 136.878,105.656 ; 136.353,105.731 136.867,105.731 ; 136.364,105.805 136.856,105.805 ; 136.652,104.76 137.015,104.76 ; 136.666,104.685 137.027,104.685 ; 136.677,104.611 137.038,104.611 ; 136.688,104.536 137.05,104.536 ; 136.699,104.461 137.061,104.461 ; 136.709,104.387 137.081,104.387 ; 136.72,104.312 137.589,104.312 ; 136.731,104.237 137.573,104.237 ; 136.742,104.163 137.556,104.163 ; 136.753,104.088 137.539,104.088 ; 136.763,104.013 137.523,104.013 ; 136.774,103.938 137.506,103.938 ; 136.785,103.864 137.489,103.864 ; 136.796,103.789 137.473,103.789 ; 136.807,103.714 137.456,103.714 ; 136.817,103.64 137.439,103.64 ; 136.828,103.565 137.423,103.565 ; 136.839,103.49 137.406,103.49 ; 137.154,104.387 137.606,104.387 ; 137.176,104.461 137.623,104.461 ; 137.188,104.536 137.639,104.536 ; 137.2,104.611 137.656,104.611 ; 137.212,104.685 137.673,104.685 ; 137.224,104.76 137.689,104.76 ; 137.236,104.835 137.706,104.835 ; 137.248,104.909 137.723,104.909 ; 137.26,104.984 137.739,104.984 ; 137.272,105.059 137.756,105.059 ; 137.284,105.133 137.773,105.133 ; 137.296,105.208 137.789,105.208 ; 137.308,105.283 137.806,105.283 ; 137.32,105.357 137.823,105.357 ; 137.332,105.432 137.839,105.432 ; 137.344,105.507 137.856,105.507 ; 137.356,105.581 137.873,105.581 ; 137.368,105.656 137.889,105.656 ; 137.38,105.731 137.906,105.731 ; 137.392,105.805 137.923,105.805 ; 138.109,103.476 138.594,103.476 ; 138.109,103.551 138.594,103.551 ; 138.109,103.625 138.594,103.625 ; 138.109,103.7 138.593,103.7 ; 138.109,103.775 138.593,103.775 ; 138.109,103.849 138.593,103.849 ; 138.109,103.924 138.592,103.924 ; 138.109,103.999 138.592,103.999 ; 138.109,104.073 138.592,104.073 ; 138.109,104.148 138.591,104.148 ; 138.109,104.223 138.591,104.223 ; 138.109,104.297 138.591,104.297 ; 138.109,104.372 138.59,104.372 ; 138.109,104.447 138.59,104.447 ; 138.109,104.521 138.59,104.521 ; 138.109,104.596 138.589,104.596 ; 138.109,104.671 138.589,104.671 ; 138.109,104.745 138.589,104.745 ; 138.109,104.82 138.609,104.82 ; 138.109,104.895 139.029,104.895 ; 138.109,104.969 139.015,104.969 ; 138.109,105.044 139.002,105.044 ; 138.109,105.119 138.988,105.119 ; 138.109,105.193 138.975,105.193 ; 138.109,105.268 138.961,105.268 ; 138.109,105.343 138.947,105.343 ; 138.109,105.417 138.934,105.417 ; 138.109,105.492 138.92,105.492 ; 138.109,105.567 138.907,105.567 ; 138.109,105.641 138.893,105.641 ; 138.109,105.716 138.879,105.716 ; 138.109,105.791 138.866,105.791 ; 138.67,104.82 139.043,104.82 ; 138.697,104.745 139.056,104.745 ; 138.712,104.671 139.07,104.671 ; 138.728,104.596 139.083,104.596 ; 138.743,104.521 139.097,104.521 ; 138.758,104.447 139.119,104.447 ; 138.774,104.372 139.533,104.372 ; 138.789,104.297 139.518,104.297 ; 138.805,104.223 139.503,104.223 ; 138.82,104.148 139.488,104.148 ; 138.835,104.073 139.473,104.073 ; 138.851,103.999 139.458,103.999 ; 138.866,103.924 139.443,103.924 ; 138.881,103.849 139.428,103.849 ; 138.897,103.775 139.413,103.775 ; 138.912,103.7 139.398,103.7 ; 138.927,103.625 139.383,103.625 ; 138.943,103.551 139.368,103.551 ; 138.958,103.476 139.353,103.476 ; 139.19,104.447 139.548,104.447 ; 139.214,104.521 139.563,104.521 ; 139.227,104.596 139.578,104.596 ; 139.241,104.671 139.593,104.671 ; 139.254,104.745 139.608,104.745 ; 139.267,104.82 139.638,104.82 ; 139.28,104.895 140.196,104.895 ; 139.294,104.969 140.196,104.969 ; 139.307,105.044 140.196,105.044 ; 139.32,105.119 140.196,105.119 ; 139.334,105.193 140.196,105.193 ; 139.347,105.268 140.196,105.268 ; 139.36,105.343 140.196,105.343 ; 139.373,105.417 140.196,105.417 ; 139.387,105.492 140.196,105.492 ; 139.4,105.567 140.196,105.567 ; 139.413,105.641 140.196,105.641 ; 139.427,105.716 140.196,105.716 ; 139.44,105.791 140.196,105.791 ; 139.695,104.82 140.196,104.82 ; 139.717,103.476 140.196,103.476 ; 139.717,103.551 140.196,103.551 ; 139.717,103.625 140.196,103.625 ; 139.717,103.7 140.196,103.7 ; 139.717,103.775 140.196,103.775 ; 139.717,103.849 140.196,103.849 ; 139.717,103.924 140.196,103.924 ; 139.717,103.999 140.196,103.999 ; 139.717,104.073 140.196,104.073 ; 139.717,104.148 140.196,104.148 ; 139.717,104.223 140.196,104.223 ; 139.717,104.297 140.196,104.297 ; 139.717,104.372 140.196,104.372 ; 139.717,104.447 140.196,104.447 ; 139.717,104.521 140.196,104.521 ; 139.717,104.596 140.196,104.596 ; 139.717,104.671 140.196,104.671 ; 139.717,104.745 140.196,104.745 ; 135.286,105.845 135.823,105.845 136.047,104.426 136.061,104.398 136.089,104.384 136.096,104.384 136.126,104.394 136.144,104.419 136.146,104.426 136.37,105.838 136.851,105.838 137.069,104.411 137.083,104.383 137.111,104.369 137.118,104.369 137.148,104.379 137.166,104.404 137.168,104.411 137.398,105.837 137.928,105.831 137.389,103.416 136.85,103.416 136.657,104.751 136.643,104.779 136.614,104.794 136.607,104.794 136.577,104.784 136.559,104.758 136.558,104.751 136.365,103.416 135.819,103.423 135.286,105.845 ; 138.109,103.408 138.594,103.408 138.588,104.782 138.592,104.8 138.612,104.824 138.643,104.832 138.672,104.819 138.687,104.792 138.972,103.408 139.339,103.408 139.617,104.792 139.625,104.809 139.649,104.829 139.681,104.83 139.707,104.812 139.717,104.782 139.717,103.408 140.196,103.401 140.196,105.83 139.447,105.83 139.205,104.47 139.202,104.46 139.181,104.436 139.15,104.429 139.121,104.443 139.106,104.47 138.859,105.83 138.109,105.83 138.109,103.408
  Top Layer w0.65: 134.403,105.558 cw(c134.405,105.001) 134.454,104.446

## Polygon pours and split planes (outlines as drawn)
ULED on Top Layer "Top Layer, Top-+ULED" (solid, remove dead copper, pour order 0): 136.75,127.625 120.5,127.625 120.5,16.5 51.875,16.5 51.875,354.6 11.8,354.6 11.8,409.5 17.806,415.5 104.1,415.5 113.175,406.425 206.525,406.425 214.1,414 210.052,420.885 203.13,414 117.1,414 108.091,423.009 13.284,423.009 3.1,412.825 3.1,346 43.25,346 43.25,8 351.6,8 395.126,51.526 395.126,345.002 387.1,345.002 387.1,55.275 348.325,16.5 172.55,16.5 172.55,161.05 165.15,161.05 165.15,16.5 129.5,16.5 129.5,119 136.75,119
ULED on Top Layer "Top Layer, Top-+ULED" (solid, remove dead copper, pour order 1): 395.126,345.001 395.126,375.874 350,421 210.1,421 203.1,414 117.1,414 108.1,423 13.275,423 3.1,412.825 3.1,409.5 11.806,409.5 17.806,415.5 104.1,415.5 113.176,406.425 206.525,406.425 214.1,414 227.275,414 227.275,180.7 232.925,180.7 232.925,414 345.575,414 387.1,372.475 387.1,345.001

## Keep-outs
Top Layer:
  circle w0.013: c390.5,416 r2.066
  circle w0.013: c188,419.5 r2.066
  circle w0.013: c390,11.5 r2.066
  circle w0.013: c10,221.5 r2.066
  circle w0.013: c9,12.5 r2.066

## Other copper
Top Layer:
  region: 133.55,105.89 134.425,105.89 134.425,105.233 133.55,105.233
  region: 133.75,104.754 134.481,104.754 134.481,104.125 133.75,104.125
  region: 133.459,105.89 134.124,105.89 134.124,103.375 133.459,103.375
  pour cut-out: 395.175,208.885 395.175,219.113 ccw(c395.032,213.999)
  pour cut-out: 195.87,7.995 204.15,8 204.025,8.125 ccw(c199.999,4.968) 195.973,8.125
  pour cut-out: 196.775,8.375
  pour cut-out: 195.975,8
  pour cut-out: 200,5
  text "2000278 Seg2" at 120,424 h1.59
  text "7P00494A" at 145,424 h1.59
  text "2220" at 159,424 h1.59
  text "ADV" at 175.925,424 h1.59
  text "1" at 133,110.5 h1.59
  text "10" at 145.5,110.5 h1.59
  text "Art. Nr." at 133.328,99.821 h1.59
  text "34001646 Rev.A" at 143.328,99.821 h1.59

## Silkscreen, mask and mechanical layers (free items; w line width, h text height)
Leds:
  drawing of 612 lines, arcs and shapes, not listed
Mechanical 7:
  circle w0.025: c200,509 r2.15
Board:
  lines w0.01: 0,0 0,428 400,428 400,0 0,0
  lines w0.1: 134.365,114.6 cw(c134.365,115) 134.365,115.4 147.065,115.4 cw(c147.065,115) 147.065,114.6 134.365,114.6
UL:
  lines w0.1: 25,4.25 25,15.75 39,15.75 39,4.25 25,4.25
  text "UL Area" at 27,8.75 h1.59

## Text inside footprints (layer, text, board x,y; h text height)
VD1: Top Overlay "+" at 102.2,21.4 h1; Mechanical 13 "+" at 101.905,21.5 h1.25
VD2: Top Overlay "+" at 82.2,21.4 h1; Mechanical 13 "+" at 81.905,21.5 h1.25
VD3: Top Overlay "+" at 62.2,21.4 h1; Mechanical 13 "+" at 61.905,21.5 h1.25
VD4: Top Overlay "+" at 82.2,41.4 h1; Mechanical 13 "+" at 81.905,41.5 h1.25
VD5: Top Overlay "+" at 102.2,41.4 h1; Mechanical 13 "+" at 101.905,41.5 h1.25
VD6: Top Overlay "+" at 57.8,41.6 h1 r180; Mechanical 13 "+" at 58.095,41.5 h1.25 r180
VD7: Top Overlay "+" at 62.2,61.4 h1; Mechanical 13 "+" at 61.905,61.5 h1.25
VD8: Top Overlay "+" at 62.2,81.4 h1; Mechanical 13 "+" at 61.905,81.5 h1.25
VD9: Top Overlay "+" at 82.2,81.4 h1; Mechanical 13 "+" at 81.905,81.5 h1.25
VD10: Top Overlay "+" at 82.2,61.4 h1; Mechanical 13 "+" at 81.905,61.5 h1.25
VD11: Top Overlay "+" at 57.8,101.6 h1 r180; Mechanical 13 "+" at 58.095,101.5 h1.25 r180
VD12: Top Overlay "+" at 77.8,101.6 h1 r180; Mechanical 13 "+" at 78.095,101.5 h1.25 r180
VD13: Top Overlay "+" at 97.8,101.6 h1 r180; Mechanical 13 "+" at 98.095,101.5 h1.25 r180
VD14: Top Overlay "+" at 97.8,81.6 h1 r180; Mechanical 13 "+" at 98.095,81.5 h1.25 r180
VD15: Top Overlay "+" at 97.8,61.6 h1 r180; Mechanical 13 "+" at 98.095,61.5 h1.25 r180
VD16: Top Overlay "+" at 57.8,121.6 h1 r180; Mechanical 13 "+" at 58.095,121.5 h1.25 r180
VD17: Top Overlay "+" at 77.8,121.6 h1 r180; Mechanical 13 "+" at 78.095,121.5 h1.25 r180
VD18: Top Overlay "+" at 97.8,121.6 h1 r180; Mechanical 13 "+" at 98.095,121.5 h1.25 r180
VD19: Top Overlay "+" at 77.8,141.6 h1 r180; Mechanical 13 "+" at 78.095,141.5 h1.25 r180
VD20: Top Overlay "+" at 97.8,141.6 h1 r180; Mechanical 13 "+" at 98.095,141.5 h1.25 r180
VD21: Top Overlay "+" at 57.8,141.6 h1 r180; Mechanical 13 "+" at 58.095,141.5 h1.25 r180
VD22: Top Overlay "+" at 57.8,161.6 h1 r180; Mechanical 13 "+" at 58.095,161.5 h1.25 r180
VD23: Top Overlay "+" at 57.8,181.6 h1 r180; Mechanical 13 "+" at 58.095,181.5 h1.25 r180
VD24: Top Overlay "+" at 77.8,181.6 h1 r180; Mechanical 13 "+" at 78.095,181.5 h1.25 r180
VD25: Top Overlay "+" at 77.8,161.6 h1 r180; Mechanical 13 "+" at 78.095,161.5 h1.25 r180
VD26: Top Overlay "+" at 57.8,201.6 h1 r180; Mechanical 13 "+" at 58.095,201.5 h1.25 r180
VD27: Top Overlay "+" at 77.8,201.6 h1 r180; Mechanical 13 "+" at 78.095,201.5 h1.25 r180
VD28: Top Overlay "+" at 97.8,201.6 h1 r180; Mechanical 13 "+" at 98.095,201.5 h1.25 r180
VD29: Top Overlay "+" at 97.8,181.6 h1 r180; Mechanical 13 "+" at 98.095,181.5 h1.25 r180
VD30: Top Overlay "+" at 97.8,161.6 h1 r180; Mechanical 13 "+" at 98.095,161.5 h1.25 r180
VD31: Top Overlay "+" at 57.8,221.6 h1 r180; Mechanical 13 "+" at 58.095,221.5 h1.25 r180
VD32: Top Overlay "+" at 77.8,221.6 h1 r180; Mechanical 13 "+" at 78.095,221.5 h1.25 r180
VD33: Top Overlay "+" at 97.8,221.6 h1 r180; Mechanical 13 "+" at 98.095,221.5 h1.25 r180
VD34: Top Overlay "+" at 57.8,241.6 h1 r180; Mechanical 13 "+" at 58.095,241.5 h1.25 r180
VD35: Top Overlay "+" at 77.8,241.6 h1 r180; Mechanical 13 "+" at 78.095,241.5 h1.25 r180
VD36: Top Overlay "+" at 97.8,241.6 h1 r180; Mechanical 13 "+" at 98.095,241.5 h1.25 r180
VD37: Top Overlay "+" at 97.8,261.6 h1 r180; Mechanical 13 "+" at 98.095,261.5 h1.25 r180
VD38: Top Overlay "+" at 77.8,261.6 h1 r180; Mechanical 13 "+" at 78.095,261.5 h1.25 r180
VD39: Top Overlay "+" at 57.8,261.6 h1 r180; Mechanical 13 "+" at 58.095,261.5 h1.25 r180
VD40: Top Overlay "+" at 57.8,281.6 h1 r180; Mechanical 13 "+" at 58.095,281.5 h1.25 r180
VD41: Top Overlay "+" at 57.8,301.6 h1 r180; Mechanical 13 "+" at 58.095,301.5 h1.25 r180
VD42: Top Overlay "+" at 77.8,301.6 h1 r180; Mechanical 13 "+" at 78.095,301.5 h1.25 r180
VD43: Top Overlay "+" at 77.8,281.6 h1 r180; Mechanical 13 "+" at 78.095,281.5 h1.25 r180
VD44: Top Overlay "+" at 57.8,321.6 h1 r180; Mechanical 13 "+" at 58.095,321.5 h1.25 r180
VD45: Top Overlay "+" at 77.8,321.6 h1 r180; Mechanical 13 "+" at 78.095,321.5 h1.25 r180
VD46: Top Overlay "+" at 97.8,321.6 h1 r180; Mechanical 13 "+" at 98.095,321.5 h1.25 r180
VD47: Top Overlay "+" at 97.8,301.6 h1 r180; Mechanical 13 "+" at 98.095,301.5 h1.25 r180
VD48: Top Overlay "+" at 97.8,281.6 h1 r180; Mechanical 13 "+" at 98.095,281.5 h1.25 r180
VD49: Top Overlay "+" at 57.8,341.6 h1 r180; Mechanical 13 "+" at 58.095,341.5 h1.25 r180
VD50: Top Overlay "+" at 77.8,341.6 h1 r180; Mechanical 13 "+" at 78.095,341.5 h1.25 r180
VD51: Top Overlay "+" at 97.8,341.6 h1 r180; Mechanical 13 "+" at 98.095,341.5 h1.25 r180
VD52: Top Overlay "+" at 77.8,361.603 h1 r180; Mechanical 13 "+" at 78.095,361.503 h1.25 r180